# KiCad board main.kicad_pcb
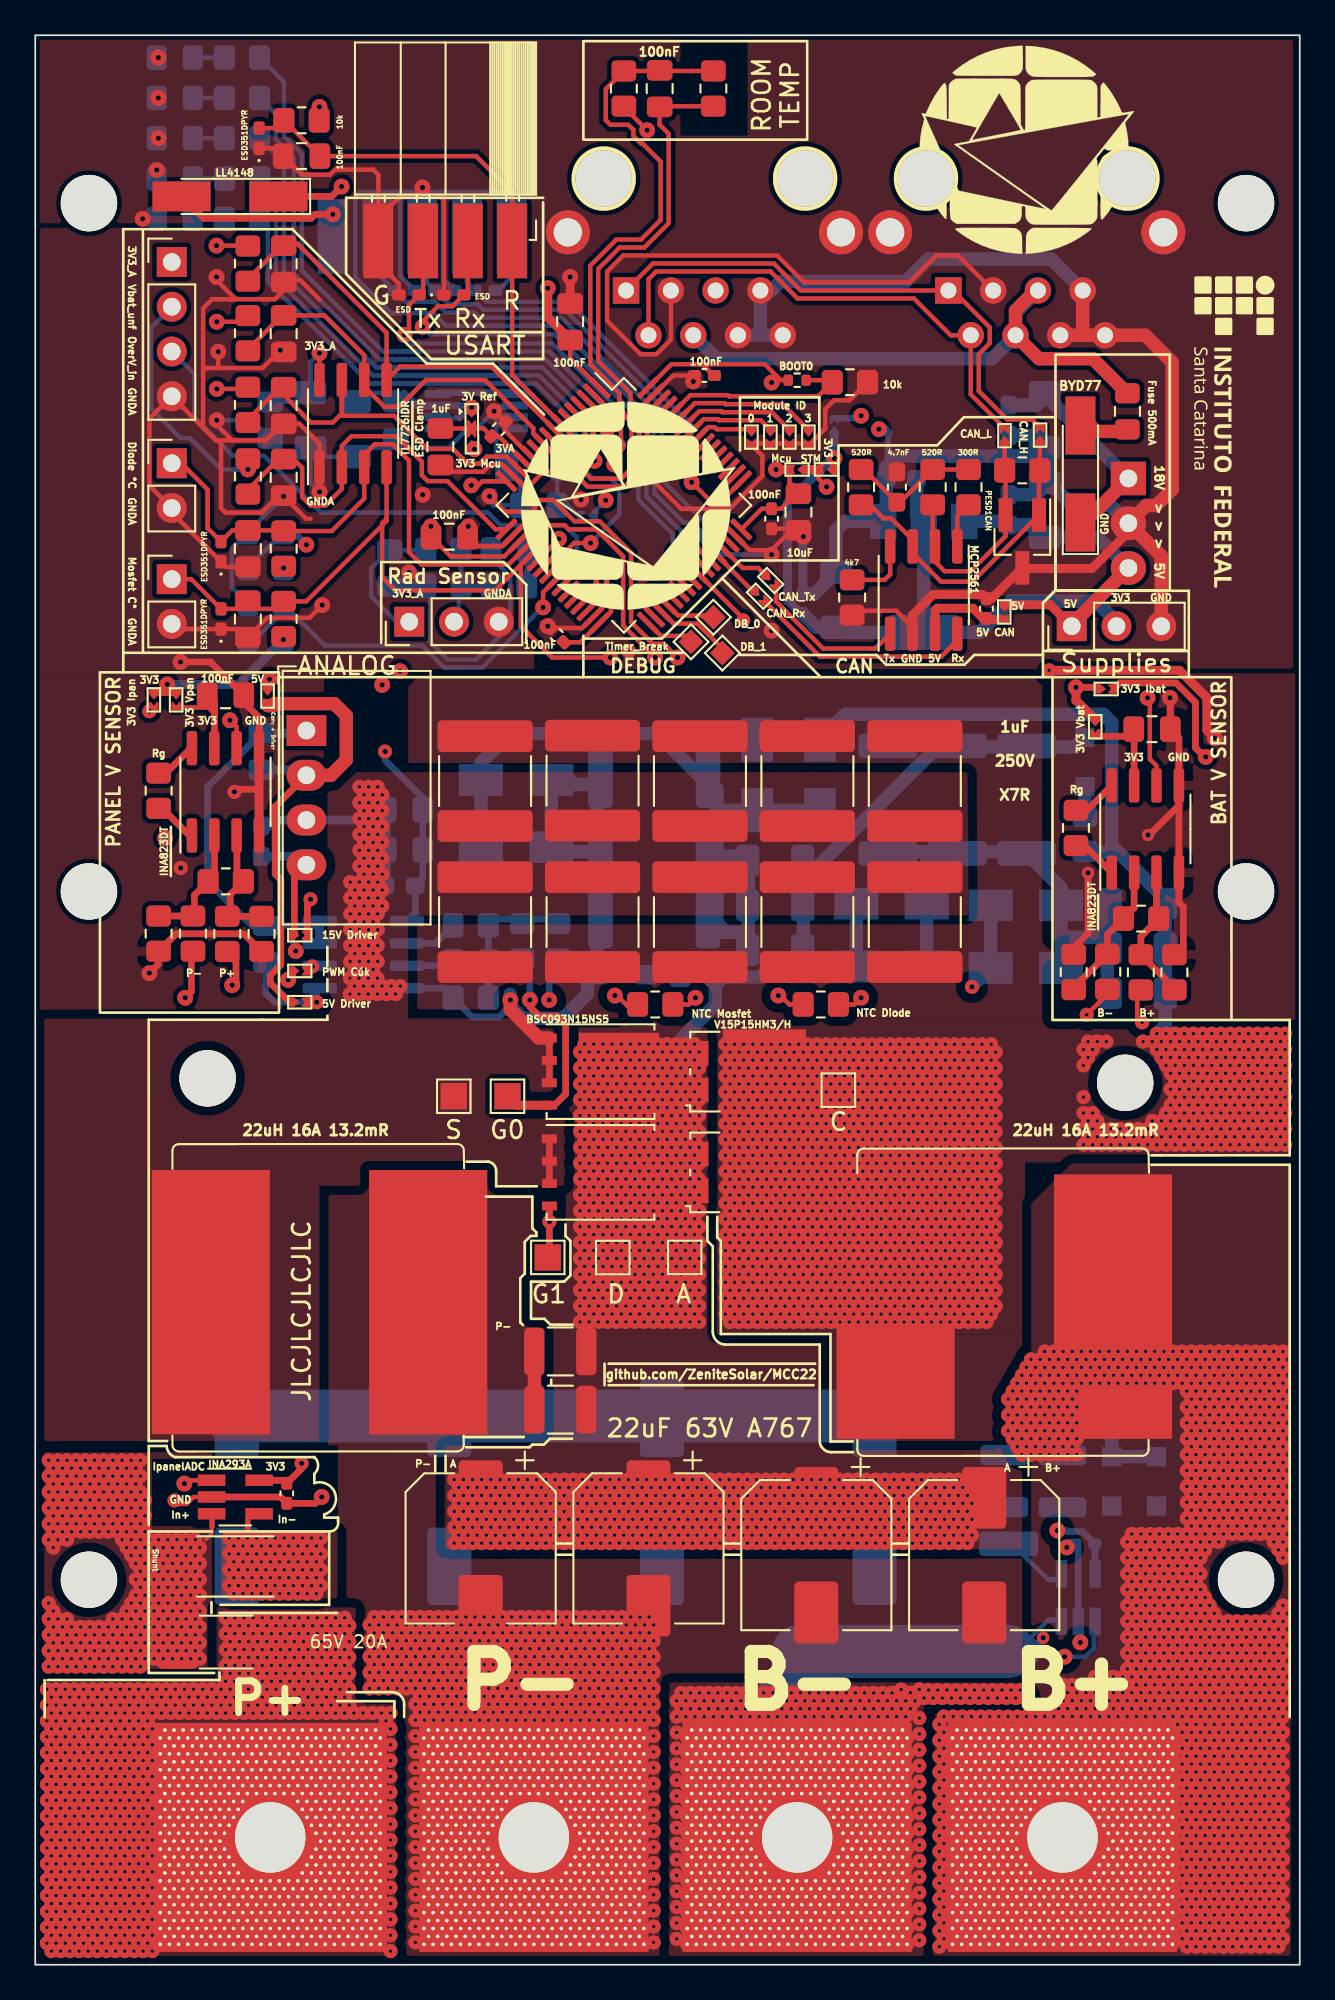
[diagram p0: board, top side]
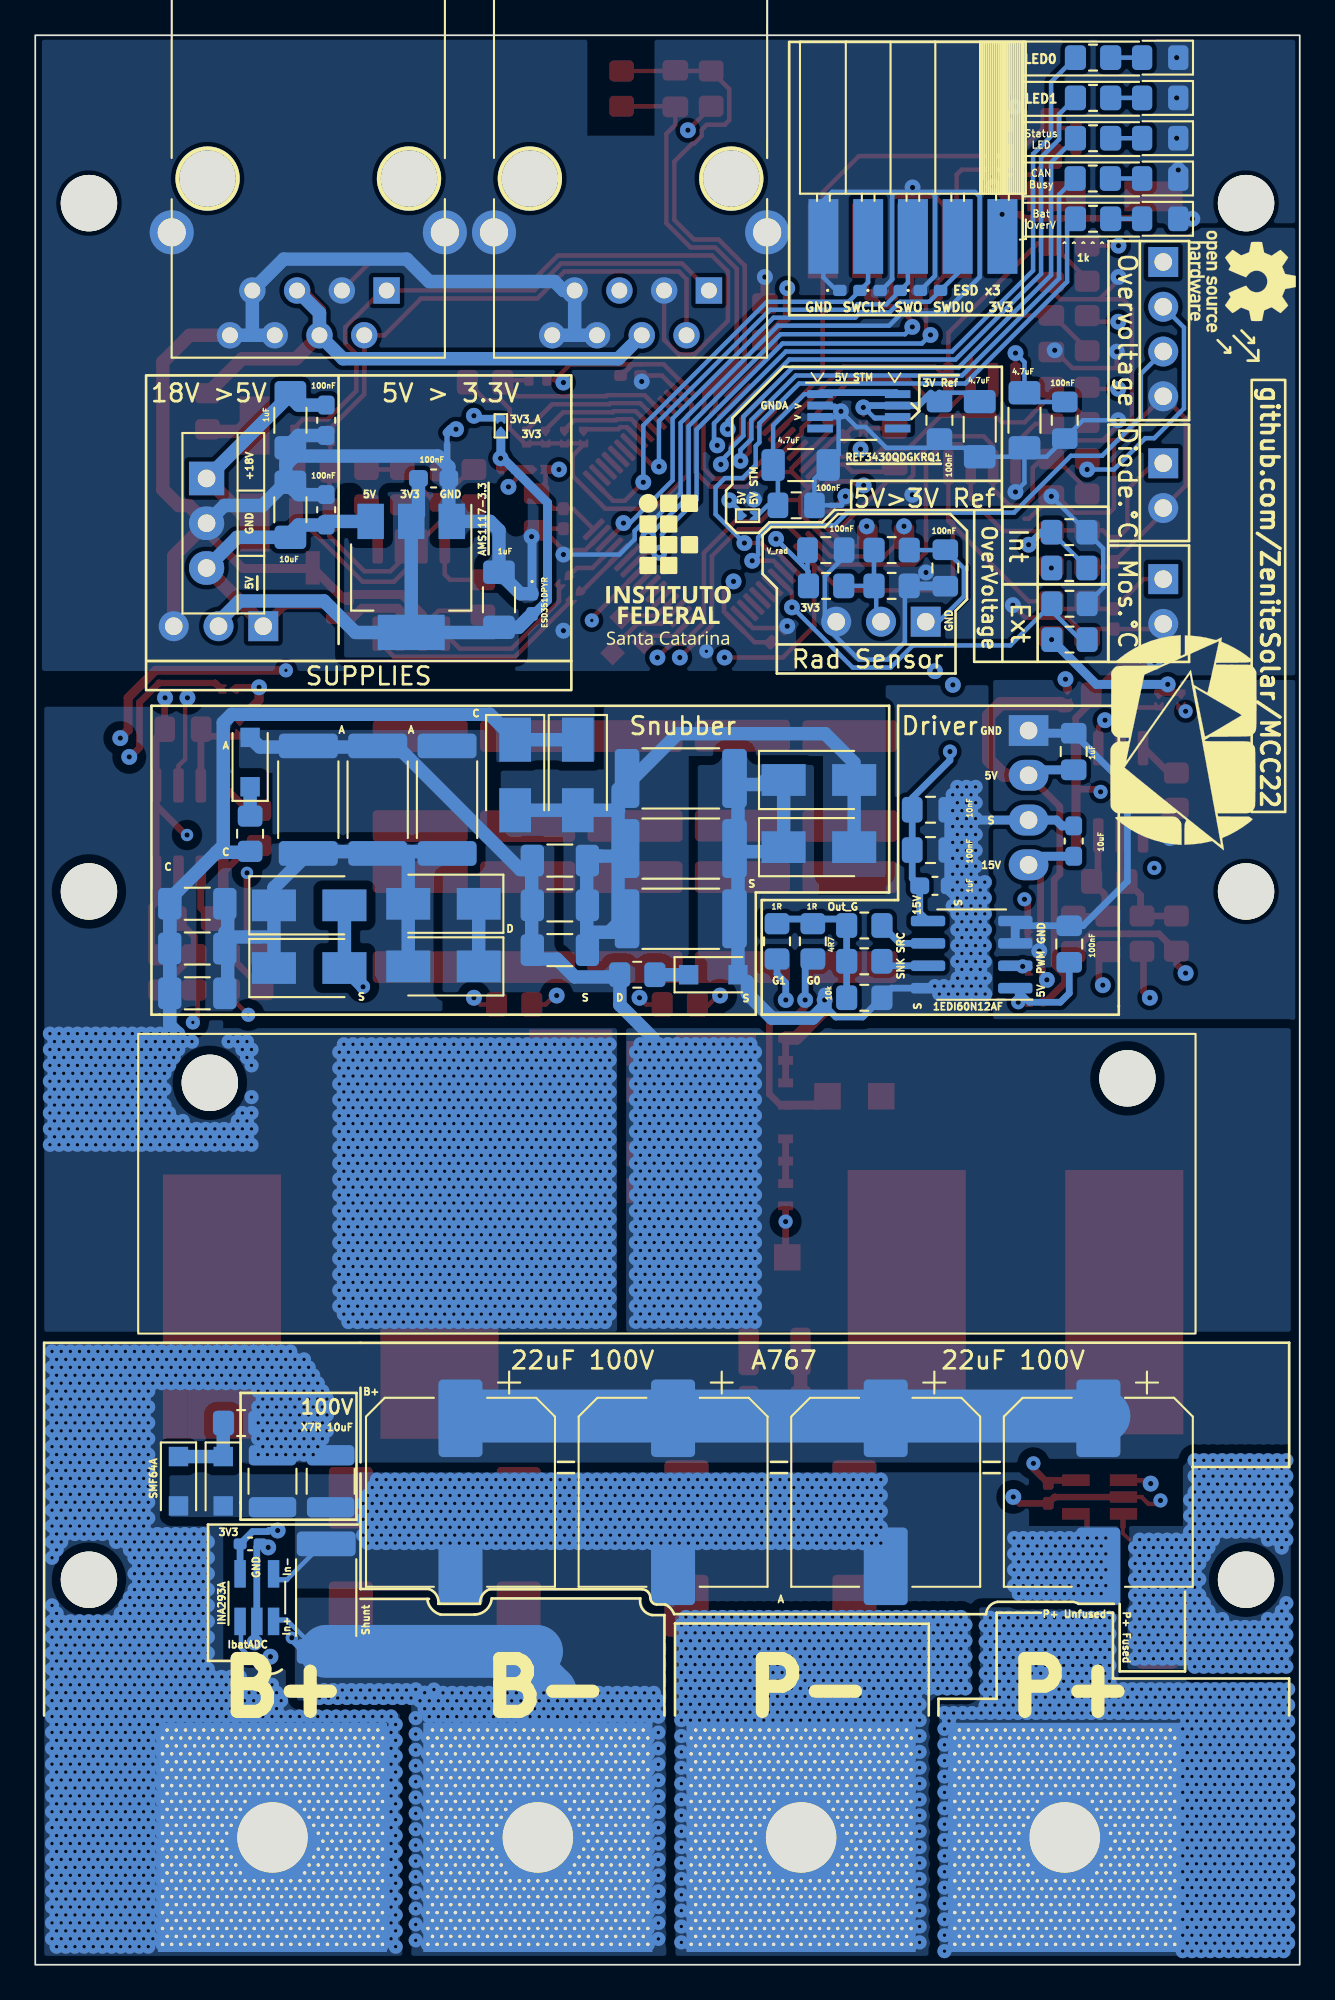
[diagram p1: board, bottom side, seen from below]

Outline 71.75 x 109.47 mm; copper layers: Top, In1.Cu, In2.Cu, Bottom. Coordinates in mm from the lower left corner of the outline.
Outline path: rectangle 0,109.47 71.75,0
Stack: Top 0.035mm / dielectric 0.4917mm FR4 er 4.5 / In1.Cu 0.0175mm / dielectric 0.4917mm FR4 er 4.5 / In2.Cu 0.0175mm / dielectric 0.4917mm FR4 er 4.5 / Bottom 0.035mm

## Placement (name value [footprint] x y rotation side)
C201  50V 4.7uF X7R ±10% 1206  [C_1206_3216Metric_Pad1.33x1.80mm_HandSolder]  28.32 85.09 0 bottom
C202  50V 100nF 0805  [C_0805_2012Metric_Pad1.18x1.45mm_HandSolder]  28.58 82.8 0 bottom
C203  50V 100nF 0805  [C_0805_2012Metric_Pad1.18x1.45mm_HandSolder]  20.45 87.63 90 bottom
C204  50V 4.7uF X7R ±10% 1206  [C_1206_3216Metric_Pad1.33x1.80mm_HandSolder]  18.16 87.12 90 bottom
C205  50V 100nF 0805  [C_0805_2012Metric_Pad1.18x1.45mm_HandSolder]  15.11 102.62 0 top
C206  50V 100nF 0805  [C_0805_2012Metric_Pad1.18x1.45mm_HandSolder]  30.35 93.22 270 top
C207  50V 100nF 0805  [C_0805_2012Metric_Pad1.18x1.45mm_HandSolder]  23.5 81.03 180 top
C208  50V 100nF X7R ±10% 0402  [C_0402_1005Metric_Pad0.74x0.62mm_HandSolder]  29.59 75.44 135 top
C209  50V 100nF X7R ±10% 0402  [C_0402_1005Metric_Pad0.74x0.62mm_HandSolder]  37.97 90.17 180 top
C210  50V 100nF X7R ±10% 0402  [C_0402_1005Metric_Pad0.74x0.62mm_HandSolder]  41.78 82.04 270 top
C211  50V 10nF X7R ±10% 0402  [C_0402_1005Metric_Pad0.74x0.62mm_HandSolder]  26.29 87.12 225 top
C212  25V 10uF X5R ±10% 0805  [C_0805_2012Metric_Pad1.18x1.45mm_HandSolder]  43.31 82.42 270 top
C213  50V 1uF X7R ±10% 0805  [C_0805_2012Metric_Pad1.18x1.45mm_HandSolder]  22.99 86.13 90 top
C301  50V 100nF 0805  [C_0805_2012Metric_Pad1.18x1.45mm_HandSolder]  20.11 79.25 270 bottom
C302  50V 100nF 0805  [C_0805_2012Metric_Pad1.18x1.45mm_HandSolder]  12.06 76.36 270 top
C303  50V 100nF 0805  [C_0805_2012Metric_Pad1.18x1.45mm_HandSolder]  12.06 80.34 270 top
C304  50V 100nF 0805  [C_0805_2012Metric_Pad1.18x1.45mm_HandSolder]  26.89 80.26 180 bottom
C305  50V 100nF X7R ±10% 0402  [C_0402_1005Metric_Pad0.74x0.62mm_HandSolder]  14.27 26.75 270 top
C306  50V 100nF X7R ±10% 0402  [C_0402_1005Metric_Pad0.74x0.62mm_HandSolder]  59.56 23.88 180 bottom
C307  50V 100nF 0805  [C_0805_2012Metric_Pad1.18x1.45mm_HandSolder]  10.79 72.03 0 top
C308  50V 100nF 0805  [C_0805_2012Metric_Pad1.18x1.45mm_HandSolder]  63.37 70.1 0 top
C309  ?  [C_0805_2012Metric_Pad1.18x1.45mm_HandSolder]  14.1 92.54 270 top
C310  ?  [C_0805_2012Metric_Pad1.18x1.45mm_HandSolder]  14.1 84.39 270 top
C311  ?  [C_0805_2012Metric_Pad1.18x1.45mm_HandSolder]  14.1 88.47 270 top
C312  ?  [C_0805_2012Metric_Pad1.18x1.45mm_HandSolder]  14.1 96.5 270 top
C313  50V 4.7uF X7R ±10% 1206  [C_1206_3216Metric_Pad1.33x1.80mm_HandSolder]  15.62 87.63 270 bottom
C314  50V 100nF 0805  [C_0805_2012Metric_Pad1.18x1.45mm_HandSolder]  13.33 87.63 270 bottom
C315  50V 100nF 0805  [C_0805_2012Metric_Pad1.18x1.45mm_HandSolder]  35.43 106.45 270 top
C402  NC  [C_1206_3216Metric_Pad1.33x1.80mm_HandSolder]  41.99 62.65 0 bottom
C403  NC  [C_1206_3216Metric_Pad1.33x1.80mm_HandSolder]  41.99 60.11 0 bottom
C404  NC  [C_1206_3216Metric_Pad1.33x1.80mm_HandSolder]  41.99 57.57 0 bottom
C406  NC  [C_1206_3216Metric_Pad1.33x1.80mm_HandSolder]  62.56 60.2 0 bottom
C407  NC  [C_1206_3216Metric_Pad1.33x1.80mm_HandSolder]  62.56 57.66 0 bottom
C408  NC  [C_1206_3216Metric_Pad1.33x1.80mm_HandSolder]  62.56 55.12 0 bottom
C501  50V 1uF X5R ±10% 0603  [C_0603_1608Metric_Pad1.08x0.95mm_HandSolder]  12.83 63.75 270 bottom
C502  25V 10uF X5R ±10% 0805  [C_0805_2012Metric_Pad1.18x1.45mm_HandSolder]  12.83 68.83 90 bottom
C503  50V 100nF 0805  [C_0805_2012Metric_Pad1.18x1.45mm_HandSolder]  13.08 57.91 90 bottom
C504  50V 10nF 0805  [C_0805_2012Metric_Pad1.18x1.45mm_HandSolder]  20.95 65.53 0 bottom
C505  50V 100nF 0805  [C_0805_2012Metric_Pad1.18x1.45mm_HandSolder]  20.95 63.25 0 bottom
C506  50V 1uF X5R ±10% 0603  [C_0603_1608Metric_Pad1.08x0.95mm_HandSolder]  20.7 61.21 0 bottom
C601  50V 1uF X5R ±10% 0603  [C_1206_3216Metric_Pad1.33x1.80mm_HandSolder]  57.28 87.63 90 bottom
C602  50V 100nF X7R ±10% 0402  [C_0603_1608Metric_Pad1.08x0.95mm_HandSolder]  55.25 87.63 90 bottom
C603  25V 10uF X5R ±10% 0805  [C_1206_3216Metric_Pad1.33x1.80mm_HandSolder]  57.28 82.55 270 bottom
C604  50V 100nF X7R ±10% 0402  [C_0603_1608Metric_Pad1.08x0.95mm_HandSolder]  55.25 82.55 270 bottom
C605  50V 100nF X7R ±10% 0402  [C_0603_1608Metric_Pad1.08x0.95mm_HandSolder]  49.15 84.33 0 bottom
C606  50V 1uF X5R ±10% 0603  [C_1206_3216Metric_Pad1.33x1.80mm_HandSolder]  45.44 77.44 270 bottom
C701  50V 100nF X7R ±10% 0402  [C_0402_1005Metric_Pad0.74x0.62mm_HandSolder]  53.98 76.95 270 top
C702  50V 4.7nF X7R ±5% 0603  [C_0603_1608Metric_Pad1.08x0.95mm_HandSolder]  48.9 83.84 90 top
Cc401  250V 1uF X7R ±10% 20mR 2220  [C_2220_5650Metric]  43.82 59.16 90 top
Cc402  250V 1uF X7R ±10% 20mR 2220  [C_2220_5650Metric]  49.91 67.16 270 top
Cc403  250V 1uF X7R ±10% 20mR 2220  [C_2220_5650Metric]  43.82 67.16 270 top
Cc404  250V 1uF X7R ±10% 20mR 2220  [C_2220_5650Metric]  25.53 59.16 90 top
Cc405  250V 1uF X7R ±10% 20mR 2220  [C_2220_5650Metric]  37.72 59.16 90 top
Cc406  250V 1uF X7R ±10% 20mR 2220  [C_2220_5650Metric]  31.62 67.18 270 top
Cc407  250V 1uF X7R ±10% 20mR 2220  [C_2220_5650Metric]  25.53 67.16 270 top
Cc408  250V 1uF X7R ±10% 20mR 2220  [C_2220_5650Metric]  31.62 59.16 90 top
Cc409  250V 1uF X7R ±10% 20mR 2220  [C_2220_5650Metric]  49.91 59.16 90 top
Cc410  250V 1uF X7R ±10% 20mR 2220  [C_2220_5650Metric]  37.72 67.16 270 top
Ci401  NC  [C_1210_3225Metric]  29.8 34.8 180 top
Ci402  NC  [C_1210_3225Metric]  29.8 31.5 180 top
Ci403  63V 22uF A767 ±20% EB  [CP_Elec_8x10]  44.32 23.24 270 top
Ci404  63V 22uF A767 ±20% EB  [CP_Elec_8x10]  53.85 23.24 270 top
Ci405  63V 22uF A767 ±20% EB  [CP_Elec_8x10]  34.8 23.62 270 top
Ci406  63V 22uF A767 ±20% EB  [CP_Elec_8x10]  25.27 23.62 270 top
Co401  100V 10uF X7R ±10% 3mR 1210  [C_1210_3225Metric]  54.99 27.43 90 bottom
Co402  100V 10uF X7R ±10% 3mR 1210  [C_1210_3225Metric]  58.29 27.43 90 bottom
Co403  100V 22uF A767  ±20% 38mR EB  [CP_Elec_10x12.5]  11.43 26.81 270 bottom
Co404  100V 22uF A767  ±20% 38mR EB  [CP_Elec_10x12.5]  35.56 26.81 270 bottom
Co405  100V 22uF A767  ±20% 38mR EB  [CP_Elec_10x12.5]  23.5 26.81 270 bottom
Co406  100V 22uF A767  ±20% 38mR EB  [CP_Elec_10x12.5]  47.62 26.81 270 bottom
D101  LL4148  [D_MiniMELF_Handsoldering]  11.05 100.33 180 top
D102  BYD77  [D_MiniMELF_Handsoldering]  59.31 84.58 90 top
D103  ESD351DPYR  [D_0402_1005Metric_Pad0.77x0.64mm_HandSolder]  20.95 95 180 bottom
D104  ESD351DPYR  [D_0402_1005Metric_Pad0.77x0.64mm_HandSolder]  23.24 95 180 bottom
D105  ESD351DPYR  [D_0402_1005Metric_Pad0.77x0.64mm_HandSolder]  25.53 95 180 bottom
D106  ESD351DPYR  [D_0402_1005Metric_Pad0.77x0.64mm_HandSolder]  12.7 103.63 90 top
D107  ESD351DPYR  [D_0402_1005Metric_Pad0.77x0.64mm_HandSolder]  23.75 94.74 0 top
D108  ESD351DPYR  [D_0402_1005Metric_Pad0.77x0.64mm_HandSolder]  21.21 94.74 0 top
D201  CAN_BUSY  [LED_0805_2012Metric_Pad1.15x1.40mm_HandSolder]  7.92 101.35 0 bottom
D202  STATUS_LED  [LED_0805_2012Metric_Pad1.15x1.40mm_HandSolder]  7.92 103.63 0 bottom
D203  LED_1  [LED_0805_2012Metric_Pad1.15x1.40mm_HandSolder]  7.92 105.92 0 bottom
D204  LED_0  [LED_0805_2012Metric_Pad1.15x1.40mm_HandSolder]  7.92 108.2 0 bottom
D205  Bat_OverV_Out  [LED_0805_2012Metric_Pad1.15x1.40mm_HandSolder]  7.92 99.06 0 bottom
D301  ESD351DPYR  [D_0402_1005Metric_Pad0.77x0.64mm_HandSolder]  10.54 76.36 90 top
D302  ESD351DPYR  [D_0402_1005Metric_Pad0.77x0.64mm_HandSolder]  10.54 80.17 90 top
D401  C2848681 150V 1A Schottky  [D_SMA]  27.29 63.41 180 bottom
D402  C2848681 150V 1A Schottky  [D_SMA]  27.29 67.22 180 bottom
D403  C2848681 150V 1A Schottky  [D_SMA]  40.97 67.51 270 bottom
D404  C2848681 150V 1A Schottky  [D_SMA]  44.52 67.51 270 bottom
D405  SMF100A  [D_SOD-123F]  33.28 56.17 180 bottom
D406  V15P15HM3/H  [TO-277A]  40.33 50.67 90 top
D407  V15P15HM3/H  [TO-277A]  40.33 44.96 90 top
D408  C2848681 150V 1A Schottky  [D_SMA]  48.59 60.2 0 bottom
D409  C2848681 150V 1A Schottky  [D_SMA]  48.59 56.64 0 bottom
D410  C2848681 150V 1A Schottky  [D_SMA]  56.21 56.55 180 bottom
D411  C2848681 150V 1A Schottky  [D_SMA]  56.21 60.11 180 bottom
D412  SMF100A  [D_SOD-123F]  59.56 68.24 90 bottom
D413  SMF64A  [D_SOD-123F]  61.09 27.43 270 bottom
D414  SMF64A  [D_SOD-123F]  63.63 27.43 270 bottom
D601  ESD351DPYR  [D_0402_1005Metric_Pad0.77x0.64mm_HandSolder]  43.56 77.22 270 bottom
D701  PESD1CAN  [SOT-23_Handsoldering]  56.01 80.75 270 top
F101  65V 20A 3mOhms Fuse  [S6125-F]  11.04 18.41 0 top
F102  500mA SMD0805B050TF  [Fuse_0805_2012Metric_Pad1.15x1.40mm_HandSolder]  61.98 88.14 90 top
H101  P-  [MountingHole_13mmx13mm_Rectangular]  28.3 7.22 0 top
H102  P+  [MountingHole_13mmx13mm_Rectangular]  13.33 7.22 0 top
H103  B-  [MountingHole_13mmx13mm_Rectangular]  43.23 7.22 0 top
H104  B+  [MountingHole_13mmx13mm_Rectangular]  58.29 7.22 0 top
H401  Heatsink  [MountingHole_3.2mm_M3]  9.78 50.29 0 top
H402  Heatsink  [MountingHole_3.2mm_M3]  61.85 50.04 0 top
HS401  HS10334  [HS10334 60mmx17mm]  65.91 35.81 180 bottom
J101  ST_LINK  [PinSocket_1x05_P2.54mm_Horizontal_SMD]  16.87 99.02 270 bottom
J102  USART  [PinSocket_1x04_P2.54mm_Horizontal_SMD]  27.09 98.97 270 top
J301  Overvoltage_protection  [PinHeader_1x04_P2.54mm_Vertical]  7.75 96.61 0 top
J302  Rad_sensor  [PinHeader_1x03_P2.54mm_Vertical]  21.22 76.2 90 top
J303  Mos_temp  [PinHeader_1x02_P2.54mm_Vertical]  7.75 85.19 0 top
J304  Diode_temp  [PinHeader_1x02_P2.54mm_Vertical]  7.75 78.62 0 top
J601  Supplies  [PinHeader_1x03_P2.54mm_Vertical]  58.82 75.95 90 top
J801  RJ45_Shielded  [RJ45_YH59_01]  33.52 95 0 bottom
J802  RJ45_Shielded  [RJ45_YH59_01]  51.81 95 0 bottom
JP101  Enable_STM_3V3  [SolderJumper-2_P0.5mm_Open_TrianglePad0.8x0.5mm]  44.28 84.84 180 top
JP102  Enable_Analog  [SolderJumper-2_P0.5mm_Open_TrianglePad0.8x0.5mm]  45.33 87.92 90 bottom
JP103  Enable_STM_5V  [SolderJumper-2_P0.5mm_Open_TrianglePad0.8x0.5mm]  30.73 82.22 180 bottom
JP104  Enable_Driver  [SolderJumper-2_P0.5mm_Open_TrianglePad0.8x0.5mm]  13.18 71.37 270 top
JP105  Enable_CAN  [SolderJumper-2_P0.5mm_Open_TrianglePad0.8x0.5mm]  54.99 76.14 270 top
JP106  Enable_PWM  [SolderJumper-2_P0.5mm_Open_TrianglePad0.8x0.5mm]  15.62 56.39 0 top
JP107  CAN_RX  [SolderJumper-2_P0.5mm_Open_TrianglePad0.8x0.5mm]  41.53 77.22 315 top
JP108  CAN_TX  [SolderJumper-2_P0.5mm_Open_TrianglePad0.8x0.5mm]  42.16 78.11 315 top
JP109  CAN_H  [SolderJumper-2_P0.5mm_Open_TrianglePad0.8x0.5mm]  57.02 87.4 90 top
JP110  CAN_L  [SolderJumper-2_P0.5mm_Open_TrianglePad0.8x0.5mm]  55 87.37 90 top
JP201  Enable Stm32 Supply  [SolderJumper-2_P0.5mm_Open_TrianglePad0.8x0.5mm]  42.62 84.84 180 top
JP203  Analog_Ref  [SolderJumper-3_P0.5mm_Open_TrianglePad0.8x0.5mm]  24.76 87.12 270 top
JP204  ID_0  [SolderJumper-2_P0.5mm_Open_TrianglePad0.8x0.5mm]  40.64 86.07 270 top
JP205  ID_1  [SolderJumper-2_P0.5mm_Open_TrianglePad0.8x0.5mm]  41.72 86.07 270 top
JP206  ID_2  [SolderJumper-2_P0.5mm_Open_TrianglePad0.8x0.5mm]  42.79 86.07 270 top
JP207  ID_3  [SolderJumper-2_P0.5mm_Open_TrianglePad0.8x0.5mm]  43.87 86.07 270 top
JP301  Disable_Vpanel  [SolderJumper-2_P0.5mm_Open_TrianglePad0.8x0.5mm]  7.99 71.16 270 top
JP302  Disable_Vbat  [SolderJumper-2_P0.5mm_Open_TrianglePad0.8x0.5mm]  60.15 69.63 270 top
JP303  Disabel_Ipanel  [SolderJumper-2_P0.5mm_Open_TrianglePad0.8x0.5mm]  6.73 71.16 270 top
JP304  Disable_Ibat  [SolderJumper-2_P0.5mm_Open_TrianglePad0.8x0.5mm]  61.38 72.38 0 top
JP501  Enable_Driver  [SolderJumper-2_P0.5mm_Open_TrianglePad0.8x0.5mm]  15.62 58.41 0 top
JP502  Enable_Driver_5V  [SolderJumper-2_P0.5mm_Open_TrianglePad0.8x0.5mm]  15.62 54.61 0 top
L401  22uH 16A 13.2mOhms Shilded, ( ~3W core + copper losses)  [L_Pulse_PM227]  54.46 37.6 0 top
Li401  22uH 16A 13.2mOhms Shilded, ( ~3W core + copper losses)  [L_Pulse_PM227]  15.6 37.85 0 top
LOGO102  Logo_Open_Hardware_Small  [synbol_logoifsc]  66.04 94.14 270 top
LOGO102#2  Logo_Open_Hardware_Small  [synbol_logoifsc]  35.81 79.17 180 bottom
LOGO103  Logo_Open_Hardware_Small  [OSHW-Logo_5.7x6mm_SilkScreen]  3.23 95.51 270 bottom
LOGO104  Logo_Open_Hardware_Big  [symbol_logoZenite]  33.66 82.8 0 top
LOGO104#2  Logo_Open_Hardware_Big  [symbol_logoZenite]  56.26 103 0 top
LOGO104#3  Logo_Open_Hardware_Small  [symbol_logoZenite_clipped]  6.48 69.34 270 bottom
NOREF  -  [unnamed]  3.05 99.95 0 top
NOREF#2  -  [unnamed]  68.71 99.95 0 top
NOREF#3  -  [unnamed]  68.71 21.84 0 top
NOREF#4  -  [unnamed]  3.05 60.9 0 top
NOREF#5  -  [unnamed]  68.71 60.9 0 top
NOREF#6  -  [unnamed]  3.05 21.84 0 top
NT101  NetTie_2  [NetTie-2_SMD_Pad0.3mm]  10.03 25.15 270 top
NT102  NetTie_2  [NetTie-2_SMD_Pad0.3mm]  12.06 24.89 270 top
NT103  Resistor_SMD:R_0201_0603Metric  [NetTie-2_SMD_Pad0.3mm]  57.78 21.84 180 bottom
NT104  NetTie_2  [NetTie-2_SMD_Pad0.3mm]  57.78 19.56 180 bottom
NT201  GNDA  [NetTie-2_SMD_Pad0.3mm]  26.29 82.8 180 bottom
NT202  GNDS  [NetTie-2_SMD_Pad0.3mm]  26.29 88.39 0 bottom
NT203  3V3S  [NetTie-2_SMD_Pad0.3mm]  23.75 87.76 180 bottom
NT301  GNDA  [NetTie-2_SMD_Pad0.3mm]  28.32 82.8 90 top
NT302  GNDA  [NetTie-2_SMD_Pad0.3mm]  48.39 86.61 90 bottom
PS501  PDSE1-S5-S24-S  [Converter_DCDC_Murata_MEE3SxxxxSC_THT]  15.39 70.03 0 top
Q401  BSC093N15NS5  [TDSON-8-3]  32.08 50.67 0 top
Q402  BSC093N15NS5  [TDSON-8-3]  32.08 44.96 0 top
R101  1.0mR 1% 5W 50ppm  [R_2512_6332Metric_Pad1.40x3.35mm_HandSolder]  11.36 22.6 0 top
R102  1.5mR 1% 5W 50ppm  [R_2512_6332Metric_Pad1.40x3.35mm_HandSolder]  55.25 20.83 90 bottom
R201  BOOT0  [R_0402_1005Metric]  43.23 89.9 0 top
R202  10kR 0805  [R_0805_2012Metric_Pad1.20x1.40mm_HandSolder]  46.23 89.79 0 top
R203  10kR 0805  [R_0805_2012Metric_Pad1.20x1.40mm_HandSolder]  15.11 104.65 0 top
R204  1kR 0805  [R_0805_2012Metric_Pad1.20x1.40mm_HandSolder]  11.75 101.35 180 bottom
R205  1kR 0805  [R_0805_2012Metric_Pad1.20x1.40mm_HandSolder]  11.73 103.63 180 bottom
R206  1kR 0805  [R_0805_2012Metric_Pad1.20x1.40mm_HandSolder]  11.73 105.92 180 bottom
R207  1kR 0805  [R_0805_2012Metric_Pad1.20x1.40mm_HandSolder]  11.73 108.2 180 bottom
R208  1kR 0805  [R_0805_2012Metric_Pad1.20x1.40mm_HandSolder]  11.73 99.06 180 bottom
R301  ?  [R_0805_2012Metric_Pad1.20x1.40mm_HandSolder]  14.1 80.34 270 top
R302  ?  [R_0805_2012Metric_Pad1.20x1.40mm_HandSolder]  14.1 76.36 270 top
R303  ?  [R_0805_2012Metric_Pad1.20x1.40mm_HandSolder]  23.16 80.26 0 bottom
R304  ?  [R_0805_2012Metric_Pad1.20x1.40mm_HandSolder]  23.16 78.23 180 bottom
R305  ?  [R_0805_2012Metric_Pad1.20x1.40mm_HandSolder]  26.88 78.23 180 bottom
R306  ?  [R_0805_2012Metric_Pad1.20x1.40mm_HandSolder]  10.9 58.49 270 top
R307  ?  [R_0805_2012Metric_Pad1.20x1.40mm_HandSolder]  8.95 58.5 270 top
R308  ?  [R_0805_2012Metric_Pad1.20x1.40mm_HandSolder]  62.74 56.31 270 top
R309  ?  [R_0805_2012Metric_Pad1.20x1.40mm_HandSolder]  60.83 56.34 270 top
R310  ?  [R_0805_2012Metric_Pad1.20x1.40mm_HandSolder]  12.84 58.49 90 top
R311  ?  [R_0805_2012Metric_Pad1.20x1.40mm_HandSolder]  10.81 61.47 0 top
R312  ?  [R_0805_2012Metric_Pad1.20x1.40mm_HandSolder]  7 58.5 270 top
R313  ?  [R_0805_2012Metric_Pad1.20x1.40mm_HandSolder]  64.64 56.31 270 top
R314  ?  [R_0805_2012Metric_Pad1.20x1.40mm_HandSolder]  62.75 59.36 0 top
R315  ?  [R_0805_2012Metric_Pad1.20x1.40mm_HandSolder]  58.93 56.32 90 top
R316  ?  [R_0805_2012Metric_Pad1.20x1.40mm_HandSolder]  7 66.61 270 top
R317  ?  [R_0805_2012Metric_Pad1.20x1.40mm_HandSolder]  59.06 64.5 270 top
R318  ?  [R_0805_2012Metric_Pad1.20x1.40mm_HandSolder]  12.06 92.57 270 top
R319  ?  [R_0805_2012Metric_Pad1.20x1.40mm_HandSolder]  12.06 84.44 270 top
R320  ?  [R_0805_2012Metric_Pad1.20x1.40mm_HandSolder]  12.06 88.5 270 top
R321  ?  [R_0805_2012Metric_Pad1.20x1.40mm_HandSolder]  12.06 96.52 270 top
R322  NC  [R_0805_2012Metric_Pad1.20x1.40mm_HandSolder]  13.06 75.18 0 bottom
R323  NC  [R_0805_2012Metric_Pad1.20x1.40mm_HandSolder]  13.06 77.22 0 bottom
R324  ?  [R_0805_2012Metric_Pad1.20x1.40mm_HandSolder]  13.08 79.25 0 bottom
R325  ?  [R_0805_2012Metric_Pad1.20x1.40mm_HandSolder]  13.08 81.28 0 bottom
R326  ?  [R_0805_2012Metric_Pad1.20x1.40mm_HandSolder]  33.4 106.45 270 top
R401  10kR 0805  [R_0805_2012Metric_Pad1.20x1.40mm_HandSolder]  24.71 54.86 0 bottom
R402  2W 200V 10R ±5% 2512  [R_2512_6332Metric_Pad1.40x3.35mm_HandSolder]  35.12 59.35 0 bottom
R403  2W 200V 10R ±5% 2512  [R_2512_6332Metric_Pad1.40x3.35mm_HandSolder]  35.12 63.33 0 bottom
R404  2W 200V 10R ±5% 2512  [R_2512_6332Metric_Pad1.40x3.35mm_HandSolder]  35.12 67.31 0 bottom
R405  1R 0805  [R_0805_2012Metric_Pad1.20x1.40mm_HandSolder]  27.63 58.06 270 bottom
R406  1R 0805  [R_0805_2012Metric_Pad1.20x1.40mm_HandSolder]  29.66 58.06 270 bottom
R407  0R  [R_0805_2012Metric_Pad1.20x1.40mm_HandSolder]  37.6 56.17 180 bottom
R408  0R  [R_0805_2012Metric_Pad1.20x1.40mm_HandSolder]  60.07 30.73 0 bottom
R409  2W 200V 10R ±5% 2512  [R_2512_6332Metric_Pad1.40x3.35mm_HandSolder]  52.32 66.1 270 bottom
R410  2W 200V 10R ±5% 2512  [R_2512_6332Metric_Pad1.40x3.35mm_HandSolder]  48.39 66.1 270 bottom
R411  2W 200V 10R ±5% 2512  [R_2512_6332Metric_Pad1.40x3.35mm_HandSolder]  56.26 66.1 270 bottom
R412  0R  [R_0805_2012Metric_Pad1.20x1.40mm_HandSolder]  59.56 64.17 90 bottom
R501  4.7R 0805  [R_0805_2012Metric_Pad1.20x1.40mm_HandSolder]  24.71 58.96 0 bottom
R502  4.7R 0805  [R_0805_2012Metric_Pad1.20x1.40mm_HandSolder]  24.71 56.93 0 bottom
R701  4k7 0805  [R_0805_2012Metric_Pad1.20x1.40mm_HandSolder]  46.36 77.58 270 top
R702  300R 0805  [R_0805_2012Metric_Pad1.20x1.40mm_HandSolder]  52.96 83.84 270 top
R703  520R 0805  [R_0805_2012Metric_Pad1.20x1.40mm_HandSolder]  46.86 83.84 270 top
R704  520R 0805  [R_0805_2012Metric_Pad1.20x1.40mm_HandSolder]  50.93 83.84 90 top
R705  NC  [R_0805_2012Metric_Pad1.20x1.40mm_HandSolder]  56.01 84.79 0 top
TH301  NTC 10k 1SDNT2012X103F3950FTF  [R_0805_2012Metric_Pad1.20x1.40mm_HandSolder]  44.58 54.48 0 top
TH302  NTC 10k 1SDNT2012X103F3950FTF  [R_0805_2012Metric_Pad1.20x1.40mm_HandSolder]  35.18 54.48 0 top
TH303  NTC 10k 1SDNT2012X103F3950FTF  [R_0805_2012Metric_Pad1.20x1.40mm_HandSolder]  38.48 106.45 270 top
TP201  DB_0  [TestPoint_Pad_1.0x1.0mm_small]  38.48 76.45 45 top
TP202  DB_1  [TestPoint_Pad_1.0x1.0mm_small]  38.99 74.42 45 top
TP203  Timer_Break  [TestPoint_Pad_1.0x1.0mm_small]  37.21 75.06 45 top
TP401  G0  [TestPoint_Pad_1.5x1.5mm]  26.8 49.28 0 top
TP402  G1  [TestPoint_Pad_1.5x1.5mm]  29.08 40.13 0 top
TP403  D  [TestPoint_Pad_1.5x1.5mm]  32.77 40.12 0 top
TP404  S  [TestPoint_Pad_1.5x1.5mm]  23.75 49.28 0 top
TP405  C  [TestPoint_Pad_1.5x1.5mm]  45.57 49.62 0 top
TP406  A  [TestPoint_Pad_1.5x1.5mm]  36.86 40.13 0 top
U201  REF3430QDGKRQ1  [VSSOP-8_3.0x3.0mm_P0.65mm]  25.02 88.14 180 bottom
U202  STM32L431RCTx  [LQFP-64_10x10mm_P0.5mm]  33.4 82.8 315 top
U301  INA823DT  [SOIC-8_3.9x4.9mm_P1.27mm]  10.79 66.55 90 top
U302  INA823DT  [SOIC-8_3.9x4.9mm_P1.27mm]  62.99 64.44 90 top
U303  INA293A4  [SOT-23-5_HandSoldering]  11.36 26.54 0 top
U304  INA293A4  [SOT-23-5_HandSoldering]  59.18 20.83 90 bottom
U305  TL7726IDR_1  [SOIC-8_3.9x4.9mm_P1.27mm]  18.03 87.44 90 top
U501  1EDI60N12AF  [SOIC-8_3.9x4.9mm_P1.27mm]  18.62 57.31 0 bottom
U601  VXO7805-1000  [TO-220-3_Vertical]  62.03 84.33 270 bottom
U602  AMS1117-3.3  [SOT-223-3_TabPin2]  50.42 78.74 270 bottom
U701  MCP2561  [SOIC-8_3.9x4.9mm_P1.27mm]  50.42 77.99 90 top
